# KiCad board VCF_VCA_BBD_board.kicad_pcb (continued)
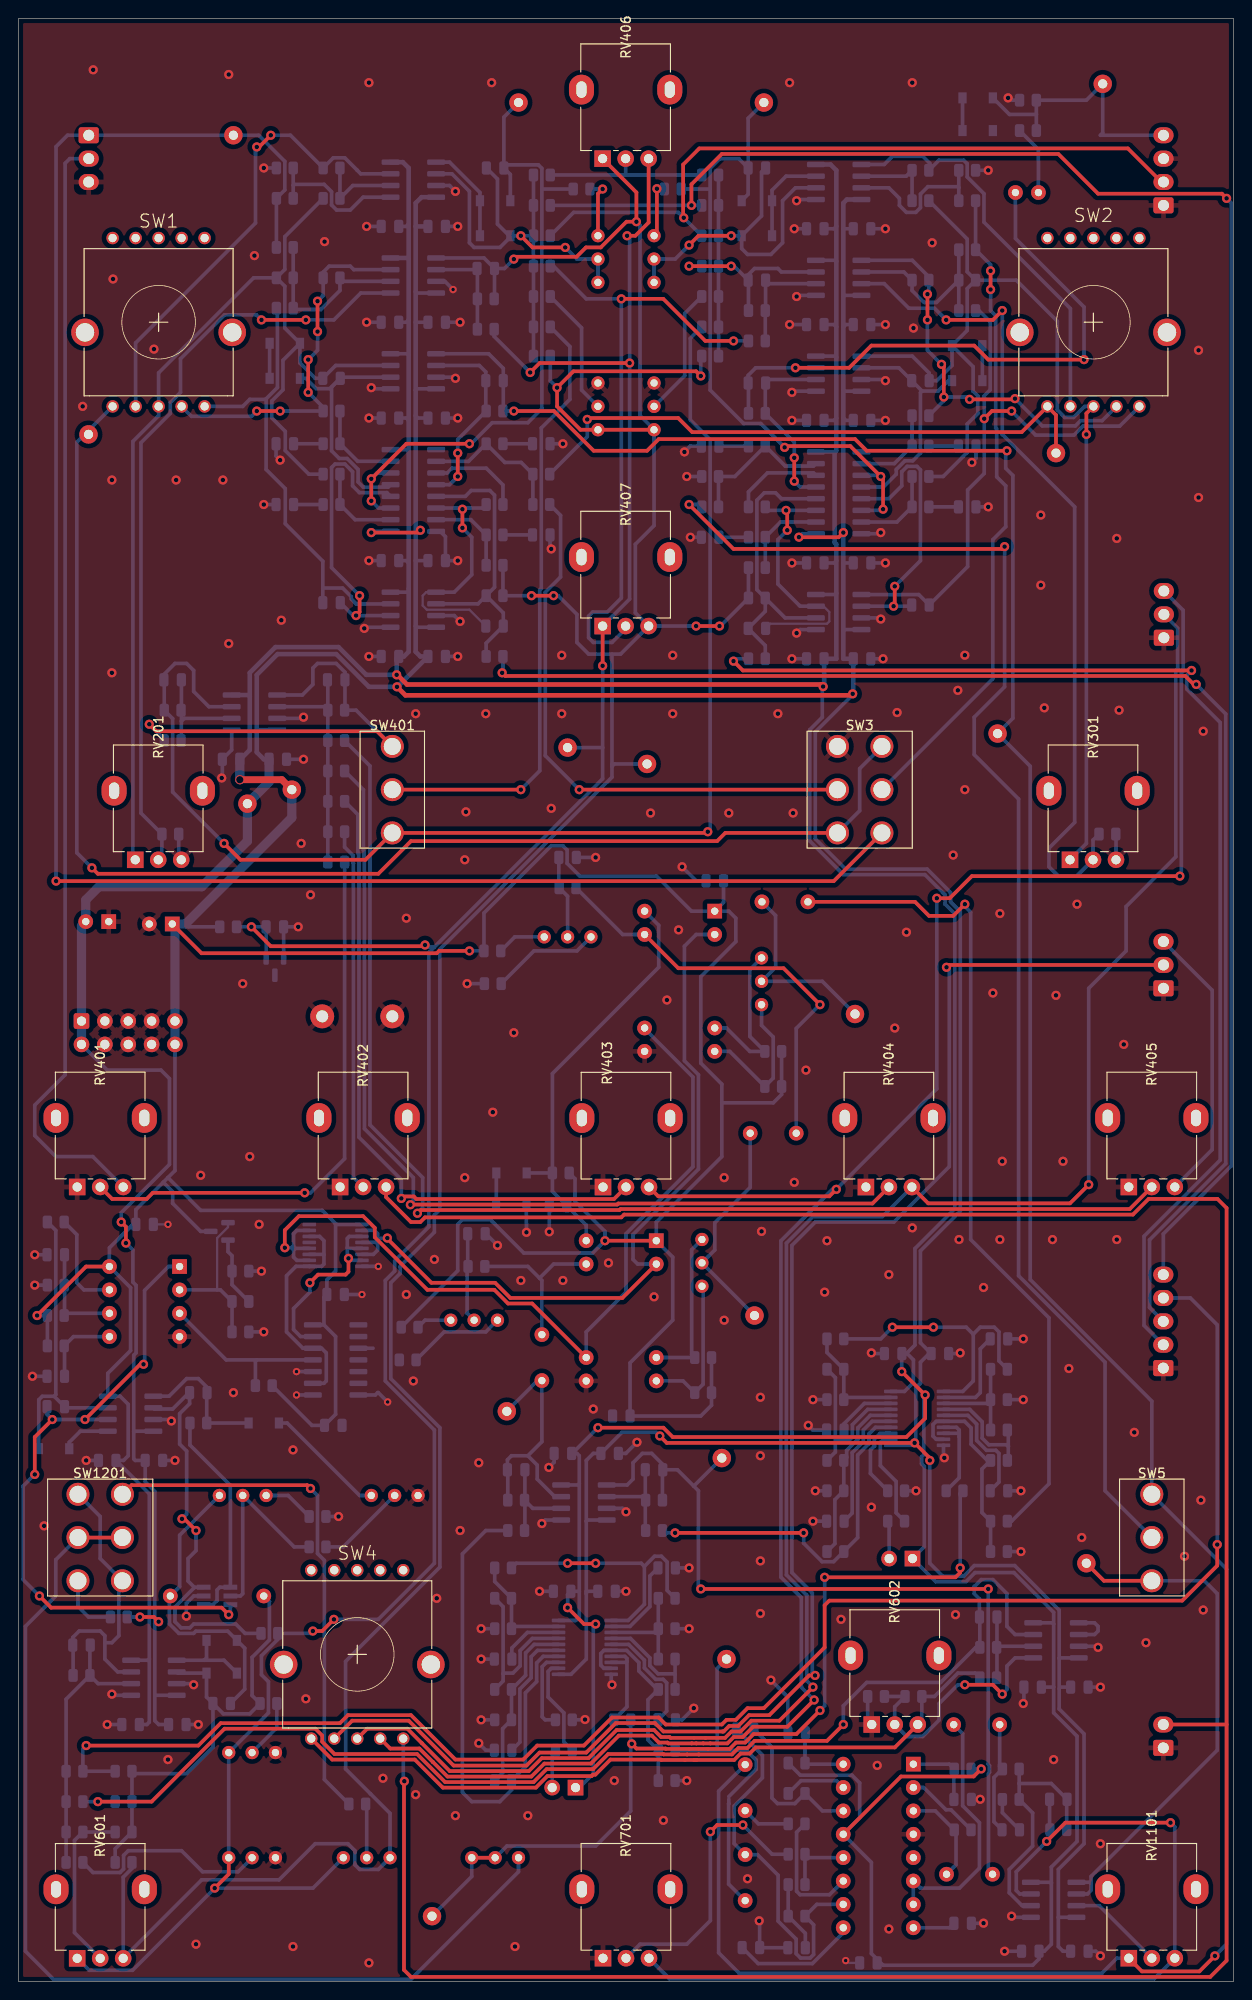
[diagram p0: board, top side]
## Placement (name value [footprint] x y rotation side) (continued)
R1303  270  [R_0805_2012Metric]  80.26 156.97 180 bottom
R1304  4k7  [R_0805_2012Metric]  80.26 160.27 180 bottom
R1305  100k  [R_0805_2012Metric]  80.26 153.67 0 bottom
R1306  30k  [R_0805_2012Metric]  75.18 160.27 0 bottom
R1307  30k  [R_0805_2012Metric]  75.18 163.58 0 bottom
R1308  270  [R_0805_2012Metric]  80.26 166.88 180 bottom
R1309  30k  [R_0805_2012Metric]  80.26 170.43 180 bottom
R1401  3k9  [R_0805_2012Metric]  22.79 114.63 0 bottom
R1402  100k  [R_0805_2012Metric]  50.8 179.58 0 bottom
R1403  100k  [R_0805_2012Metric]  50.8 182.88 0 bottom
REF**  -  [OSHW-Logo_5.7x6mm_SilkScreen]  20.83 150.88 180 bottom
RV201  100k  [Potentiometer_Alpha_RD901F-40-00D_Single_Vertical]  12.7 121.92 90 top
RV301  100k  [Potentiometer_Alpha_RD901F-40-00D_Single_Vertical]  114.3 121.92 90 top
RV401  100k  [Potentiometer_Alpha_RD901F-40-00D_Single_Vertical]  6.39 86.36 90 top
RV402  100k  [Potentiometer_Alpha_RD901F-40-00D_Single_Vertical]  34.97 86.36 90 top
RV403  100k  [Potentiometer_Alpha_RD901F-40-00D_Single_Vertical]  63.54 86.35 90 top
RV404  100k  [Potentiometer_Alpha_RD901F-40-00D_Single_Vertical]  92.11 86.35 90 top
RV405  100k  [Potentiometer_Alpha_RD901F-40-00D_Single_Vertical]  120.69 86.36 90 top
RV406  100k  [Potentiometer_Alpha_RD901F-40-00D_Single_Vertical]  63.5 198.12 90 top
RV407  100k c.d.  [Potentiometer_Alpha_RD901F-40-00D_Single_Vertical]  63.5 147.32 90 top
RV408  100k  [Potentiometer_Bourns_3296W_Vertical]  69.09 173.74 90 bottom
RV409  5k  [Potentiometer_Bourns_3296W_Vertical]  69.09 189.75 90 bottom
RV410  100k  [Potentiometer_Bourns_3296W_Vertical]  62.99 173.74 90 bottom
RV411  5k  [Potentiometer_Bourns_3296W_Vertical]  62.99 189.75 90 bottom
RV601  100k  [Potentiometer_Alpha_RD901F-40-00D_Single_Vertical]  6.39 2.53 90 top
RV602  100k c.d.  [Potentiometer_Alpha_RD901F-40-00D_Single_Vertical]  92.75 27.94 90 top
RV701  100k  [Potentiometer_Alpha_RD901F-40-00D_Single_Vertical]  63.54 2.54 90 top
RV901  10k  [Potentiometer_Bourns_3296W_Vertical]  52.07 71.88 0 bottom
RV902  10k  [Potentiometer_Bourns_3296W_Vertical]  74.3 80.66 90 bottom
RV903  10k  [Potentiometer_Bourns_3296W_Vertical]  62.23 113.54 0 bottom
RV904  10k  [Potentiometer_Bourns_3296W_Vertical]  80.77 111.25 90 bottom
RV1101  100k  [Potentiometer_Alpha_RD901F-40-00D_Single_Vertical]  120.69 2.54 90 top
RV1201  100k  [Potentiometer_Bourns_3296W_Vertical]  27.94 24.89 0 bottom
RV1202  100k  [Potentiometer_Bourns_3296W_Vertical]  27.94 13.46 0 bottom
RV1203  100  [Potentiometer_Bourns_3296W_Vertical]  26.92 52.83 0 bottom
RV1204  10k  [Potentiometer_Bourns_3296W_Vertical]  54.36 13.46 0 bottom
RV1205  10k  [Potentiometer_Bourns_3296W_Vertical]  43.43 52.83 0 bottom
RV1206  100k  [Potentiometer_Bourns_3296W_Vertical]  40.4 13.46 0 bottom
SW1  SR1712F-0204  [SR1712F_rotary_switch]  15.24 180.34 180 top
SW2  SR1712F-0204  [SR1712F_rotary_switch]  116.84 180.34 180 top
SW3  series_parallel_switch  [DPDT_mini_toggle]  91.44 129.54 180 top
SW4  SR1712F-0204  [SR1712F_rotary_switch]  36.83 35.56 180 top
SW5  delay_bypass_switch  [SPDT_mini_toggle]  123.19 48.26 0 top
SW401  SW_SPDT_MSM  [SPDT_mini_toggle]  40.64 129.54 180 top
SW1201  SW_DP_on_on_on  [DPDT_mini_toggle]  8.89 48.26 0 top
TP101  DRY  [TestPoint_Keystone_5000-5004_Miniature]  23.37 200.66 180 bottom
TP102  CV_A  [TestPoint_Keystone_5000-5004_Miniature]  54.36 204.22 180 bottom
TP103  ENV_VCA  [TestPoint_Keystone_5000-5004_Miniature]  106.43 135.64 180 bottom
TP104  VCF_A  [TestPoint_Keystone_5000-5004_Miniature]  7.62 168.15 180 bottom
TP105  DELAY  [TestPoint_Keystone_5000-5004_Miniature]  116.08 45.47 180 bottom
TP106  CV_B  [TestPoint_Keystone_5000-5004_Miniature]  81.03 204.22 180 bottom
TP107  FINAL_AUDIO  [TestPoint_Keystone_5000-5004_Miniature]  117.86 206.25 180 bottom
TP108  VCF_B  [TestPoint_Keystone_5000-5004_Miniature]  112.78 166.12 180 bottom
TP601  COMPRESSOR  [TestPoint_Keystone_5000-5004_Miniature]  76.96 35.05 180 bottom
TP602  BBD_LPF_1  [TestPoint_Keystone_5000-5004_Miniature]  53.09 61.98 180 bottom
TP603  BBD_LPF_2  [TestPoint_Keystone_5000-5004_Miniature]  76.45 56.9 180 bottom
TP901  BBD_1  [TestPoint_Keystone_5000-5004_Miniature]  80.01 72.39 180 bottom
TP902  BBD_2  [TestPoint_Keystone_5000-5004_Miniature]  90.93 105.16 180 bottom
TP1201  BBD_LPF_CV  [TestPoint_Keystone_5000-5004_Miniature]  44.96 7.11 180 bottom
TP1401  V+  [TestPoint_Keystone_5000-5004_Miniature]  29.72 129.54 180 bottom
TP1402  V-  [TestPoint_Keystone_5000-5004_Miniature]  24.89 128.02 180 bottom
TP1403  GND  [TestPoint_Bridge_Pitch7.62mm_Drill1.3mm]  40.64 104.9 180 bottom
TP1404  REF+  [TestPoint_Keystone_5000-5004_Miniature]  59.69 134.11 180 bottom
TP1405  REF-  [TestPoint_Keystone_5000-5004_Miniature]  68.33 132.33 180 bottom
U1  TL072  [SOIC-8_3.9x4.9mm_P1.27mm]  25.65 137.92 180 bottom
U2  TL072  [SOIC-8_3.9x4.9mm_P1.27mm]  42.93 185.42 180 bottom
U3  SSI2164  [SOIC-16_3.9x9.9mm_P1.27mm]  42.93 162.05 180 bottom
U4  TL072  [SOIC-8_3.9x4.9mm_P1.27mm]  42.93 175.01 180 bottom
U5  TL072  [SOIC-8_3.9x4.9mm_P1.27mm]  42.93 149.1 180 bottom
U6  TL072  [SOIC-8_3.9x4.9mm_P1.27mm]  42.93 195.83 180 bottom
U7  TL072  [SOIC-8_3.9x4.9mm_P1.27mm]  89.15 185.17 180 bottom
U8  TL072  [SOIC-8_3.9x4.9mm_P1.27mm]  89.15 174.75 180 bottom
U9  TL072  [SOIC-8_3.9x4.9mm_P1.27mm]  89.15 148.84 180 bottom
U10  SSI2164  [SOIC-16_3.9x9.9mm_P1.27mm]  89.15 161.8 180 bottom
U11  NE570  [DIP-16_W7.62mm_Socket]  97.27 23.63 180 bottom
U12  SSI2140  [TSSOP-20_4.4x6.5mm_P0.65mm]  61.57 36.32 180 bottom
U13  TL072  [SOIC-8_3.9x4.9mm_P1.27mm]  61.47 52.07 180 bottom
U14  MN3005  [DIP-8-14_W7.62mm_Socket]  69.33 80.52 180 bottom
U15  MN3005  [DIP-8-14_W7.62mm_Socket]  75.68 116.34 180 bottom
U16  SSI2140  [TSSOP-20_4.4x6.5mm_P0.65mm]  97.69 61.21 180 bottom
U17  TL072  [SOIC-8_3.9x4.9mm_P1.27mm]  112.52 8.89 180 bottom
U18  TL072  [SOIC-8_3.9x4.9mm_P1.27mm]  14.73 33.02 180 bottom
U19  TL072  [SOIC-8_3.9x4.9mm_P1.27mm]  12.19 61.72 180 bottom
U20  LM331  [DIP-8_W7.62mm_Socket]  17.52 77.71 180 bottom
U21  4013  [SOIC-14_3.9x8.7mm_P1.27mm]  34.48 67.56 180 bottom
U22  CD4049  [TSSOP-16_4.4x5mm_P0.65mm]  34.48 80.01 180 bottom
U23  TL072  [SOIC-8_3.9x4.9mm_P1.27mm]  89.15 195.58 180 bottom
U24  TL072  [SOIC-8_3.9x4.9mm_P1.27mm]  112.78 37.08 180 bottom
U1407  LM4040DBZ-5  [SOT-23]  27.87 110.31 270 bottom

## Footprints (pads in the part's own frame, mm; a bottom-side part is the same pattern mirrored in y, then rotated)
C_0805_2012Metric
  rrect 1x1.45 smd: 1(-0.95,0) 2(0.95,0)
C_Radial_D6.3mm_H7.0mm_P2.50mm
  round 1.6 hole 0.8: 1(0,0) 2(2.5,0)
C_Rect_L7.0mm_W3.5mm_P5.00mm
  round 1.6 hole 0.8: 1(0,0) 2(5,0)
CP_Radial_D6.3mm_P2.50mm
  rect 1.6x1.6 hole 0.8: 1(0,0)
  round 1.6 hole 0.8: 2(2.5,0)
D_SOD-123
  rect 0.9x1.2 smd: 1(-1.65,0) 2(1.65,0)
DIP-8-14_W7.62mm_Socket
  rect 1.6x1.6 hole 0.8: 1(0,0)
  oval 1.6x1.6 hole 0.8: 2(0,-2.54) 3(0,-12.7) 4(0,-15.24) 5(7.62,-15.24) 6(7.62,-12.7) 7(7.62,-2.54) 8(7.62,0)
DIP-8_W7.62mm_Socket
  rect 1.6x1.6 hole 0.8: 1(0,0)
  oval 1.6x1.6 hole 0.8: 2(0,-2.54) 3(0,-5.08) 4(0,-7.62) 5(7.62,-7.62) 6(7.62,-5.08) 7(7.62,-2.54) 8(7.62,0)
DIP-16_W7.62mm_Socket
  rect 1.6x1.6 hole 0.8: 1(0,0)
  oval 1.6x1.6 hole 0.8: 2(0,-2.54) 3(0,-5.08) 4(0,-7.62) 5(0,-10.16) 6(0,-12.7) 7(0,-15.24) 8(0,-17.78) 9(7.62,-17.78) 10(7.62,-15.24) 11(7.62,-12.7) 12(7.62,-10.16) 13(7.62,-7.62) 14(7.62,-5.08) 15(7.62,-2.54) 16(7.62,0)
DPDT_mini_toggle
  round 2.5 hole 1.85: 1(2.415,4.7) 2(2.415,0) 3(2.415,-4.7) 4(-2.415,4.7) 5(-2.415,0) 6(-2.415,-4.7)
IDC-Header_2x05_P2.54mm_Vertical
  rrect 1.7x1.7 hole 1: 1(0,0)
  round 1.7 hole 1: 2(2.54,0) 3(0,-2.54) 4(2.54,-2.54) 5(0,-5.08) 6(2.54,-5.08) 7(0,-7.62) 8(2.54,-7.62) 9(0,-10.16) 10(2.54,-10.16)
Molex_KK-254_AE-6410-02A_1x02_P2.54mm_Vertical
  rrect 1.74x2.19 hole 1.19: 1(0,0)
  oval 1.74x2.19 hole 1.19: 2(2.54,0)
Molex_KK-254_AE-6410-03A_1x03_P2.54mm_Vertical
  rrect 1.74x2.19 hole 1.19: 1(0,0)
  oval 1.74x2.19 hole 1.19: 2(2.54,0) 3(5.08,0)
Molex_KK-254_AE-6410-04A_1x04_P2.54mm_Vertical
  rrect 1.74x2.19 hole 1.19: 1(0,0)
  oval 1.74x2.19 hole 1.19: 2(2.54,0) 3(5.08,0) 4(7.62,0)
Molex_KK-254_AE-6410-05A_1x05_P2.54mm_Vertical
  rrect 1.74x2.19 hole 1.19: 1(0,0)
  oval 1.74x2.19 hole 1.19: 2(2.54,0) 3(5.08,0) 4(7.62,0) 5(10.16,0)
PinHeader_1x02_P2.54mm_Vertical
  rect 1.7x1.7 hole 1: 1(0,0)
  oval 1.7x1.7 hole 1: 2(0,-2.54)
Potentiometer_Alpha_RD901F-40-00D_Single_Vertical
  oval 3.24x2.72 hole 1.8x1.1: (7.5,2.3) (7.5,-7.3)
  rect 1.8x1.8 hole 1: 1(0,0)
  round 1.8 hole 1: 2(0,-2.5) 3(0,-5)
Potentiometer_Bourns_3296W_Vertical
  round 1.44 hole 0.8: 1(0,0) 2(-2.54,0) 3(-5.08,0)
R_0805_2012Metric
  rrect 1.025x1.4 smd: 1(-0.912,0) 2(0.912,0)
R_Axial_DIN0207_L6.3mm_D2.5mm_P10.16mm_Horizontal
  round 1.6 hole 0.8: 1(0,0)
  oval 1.6x1.6 hole 0.8: 2(10.16,0)
SOIC-8_3.9x4.9mm_P1.27mm
  rrect 1.95x0.6 smd: 1(-2.475,1.905) 2(-2.475,0.635) 3(-2.475,-0.635) 4(-2.475,-1.905) 5(2.475,-1.905) 6(2.475,-0.635) 7(2.475,0.635) 8(2.475,1.905)
SOIC-14_3.9x8.7mm_P1.27mm
  rrect 1.95x0.6 smd: 1(-2.475,3.81) 2(-2.475,2.54) 3(-2.475,1.27) 4(-2.475,0) 5(-2.475,-1.27) 6(-2.475,-2.54) 7(-2.475,-3.81) 8(2.475,-3.81) 9(2.475,-2.54) 10(2.475,-1.27) 11(2.475,0) 12(2.475,1.27) 13(2.475,2.54) 14(2.475,3.81)
SOIC-16_3.9x9.9mm_P1.27mm
  rrect 1.95x0.6 smd: 1(-2.475,4.445) 2(-2.475,3.175) 3(-2.475,1.905) 4(-2.475,0.635) 5(-2.475,-0.635) 6(-2.475,-1.905) 7(-2.475,-3.175) 8(-2.475,-4.445) 9(2.475,-4.445) 10(2.475,-3.175) 11(2.475,-1.905) 12(2.475,-0.635) 13(2.475,0.635) 14(2.475,1.905) 15(2.475,3.175) 16(2.475,4.445)
SOT457
  rect 0.55x1.5 smd: 1(-0.95,-1.45) 2(0,-1.45) 3(0.95,-1.45) 4(0.95,1.45) 5(0,1.45) 6(-0.95,1.45)
SOT-23
  rrect 1.475x0.6 smd: 1(-0.938,0.95) 2(-0.938,-0.95) 3(0.938,0)
SPDT_mini_toggle
  round 2.5 hole 1.85: 1(0,4.7) 2(0,0) 3(0,-4.7)
SR1712F_rotary_switch
  round 3 hole 2: (-8,1.1) (8,1.1)
  round 1.35 hole 0.9: 1(5,-9.15) 2(2.5,-9.15) 3(0,-9.15) 4(-2.5,-9.15) 5(-5,-9.15) 6(-5,9.15) 7(-2.5,9.15) 8(0,9.15) 9(2.5,9.15) 10(5,9.15)
TestPoint_Bridge_Pitch7.62mm_Drill1.3mm
  round 2.6 hole 1.3: 1(0,0) 1(7.62,0)
TestPoint_Keystone_5000-5004_Miniature
  round 2 hole 1: 1(0,0)
TSSOP-16_4.4x5mm_P0.65mm
  rrect 1.475x0.4 smd: 1(-2.862,2.275) 2(-2.862,1.625) 3(-2.862,0.975) 4(-2.862,0.325) 5(-2.862,-0.325) 6(-2.862,-0.975) 7(-2.862,-1.625) 8(-2.862,-2.275) 9(2.862,-2.275) 10(2.862,-1.625) 11(2.862,-0.975) 12(2.862,-0.325) 13(2.862,0.325) 14(2.862,0.975) 15(2.862,1.625) 16(2.862,2.275)
TSSOP-20_4.4x6.5mm_P0.65mm
  rrect 1.475x0.4 smd: 1(-2.862,2.925) 2(-2.862,2.275) 3(-2.862,1.625) 4(-2.862,0.975) 5(-2.862,0.325) 6(-2.862,-0.325) 7(-2.862,-0.975) 8(-2.862,-1.625) 9(-2.862,-2.275) 10(-2.862,-2.925) 11(2.862,-2.925) 12(2.862,-2.275) 13(2.862,-1.625) 14(2.862,-0.975) 15(2.862,-0.325) 16(2.862,0.325) 17(2.862,0.975) 18(2.862,1.625) 19(2.862,2.275) 20(2.862,2.925)

## Nets
+5V REF: C1403.1 R1216.1 R1401.2 R1402.2 RV406.3 RV407.1 RV601.1 RV1201.3 RV1202.3 RV1206.3 TP1404.1 U1407.1
+15V: C907.1 C908.1 C1207.1 C1401.1 C1405.1 C1407.1 C1409.1 C1411.1 C1413.1 C1415.1 C1417.1 C1419.1 C1421.1 C1423.1 C1425.1 C1427.1 C1429.1 C1431.1 C1433.1 C1435.1 C1437.1 C1439.1 C1440.1 C1441.1 C1443.1 J7.9 J7.10 JP801.1 JP1001.1 Q1201.3 R704.1 R901.1 R904.1 R905.1 R906.1 R909.1 R910.1 R911.1 R1102.1 R1220.2 R1223.1 R1224.2 R1401.1 TP1401.1 U1.8 U2.8 U3.16 U4.8 U5.8 U6.8 U7.8 U8.8 U9.8 U10.16 U11.13 U12.20 U13.8 U14.1 U15.1 U16.20 U17.8 U18.8 U19.8 U20.8 U21.14 U22.1 U23.8 U24.8
-5V REF: C1404.2 R418.2 R425.1 R501.1 R505.1 R1225.1 R1301.1 R1305.1 R1403.2 RV406.1 RV407.3 RV408.3 RV410.3 RV601.3 RV1206.1 TP1405.1 U2.1
-15V: C1402.2 C1406.2 C1408.2 C1410.2 C1412.2 C1414.2 C1416.2 C1418.1 C1420.2 C1422.2 C1424.2 C1426.2 C1428.2 C1430.2 C1432.2 C1434.2 C1436.2 C1438.2 C1442.2 J7.1 J7.2 R1218.1 TP1402.1 U1.4 U2.4 U3.9 U4.4 U5.4 U6.4 U7.4 U8.4 U9.4 U10.9 U12.11 U13.4 U16.11 U17.4 U18.4 U19.4 U23.4 U24.4
GND: C201.2 C203.2 C301.2 C303.2 C502.2 C503.2 C702.2 C703.2 C704.2 C801.2 C802.2 C803.2 C804.2 C902.2 C904.2 C905.2 C907.2 C908.2 C1001.2 C1002.2 C1003.2 C1004.2 C1102.2 C1103.2 C1204.2 C1206.2 C1207.2 C1302.2 C1303.2 C1401.2 C1402.1 C1403.2 C1405.2 C1406.1 C1407.2 C1408.1 C1409.2 C1410.1 C1411.2 C1412.1 C1413.2 C1414.1 C1415.2 C1416.1 C1417.2 C1418.2 C1419.2 C1420.1 C1421.2 C1422.1 C1423.2 C1424.1 C1425.2 C1426.1 C1427.2 C1428.1 C1429.2 C1430.1 C1431.2 C1432.1 C1433.2 C1434.1 C1435.2 C1436.1 C1437.2 C1438.1 C1439.2 C1440.2 C1441.2 C1442.1 C1443.2 D102.1 D902.1 D1202.2 J2.1 J2.3 J3.1 J4.1 J5.1 J6.1 J7.3 J7.4 J7.5 J7.6 J7.7 J7.8 J101.3 Q1202.5 R101.2 R205.2 R210.2 R305.2 R310.2 R602.1 R802.2 R805.2 R809.2 R812.2 R815.2 R902.2 R907.2 R1002.2 R1005.2 R1009.2 R1012.2 R1015.2 R1211.1 R1213.1 R1215.1 R1221.1 R1307.1 RV201.3 RV301.3 RV401.1 RV402.1 RV403.1 RV404.1 RV405.1 RV408.1 RV410.1 RV602.1 RV701.1 RV1201.1 RV1202.1 RV1205.1 SW3.3 TP1403.1 U1.3 U1.5 U2.3 U3.8 U4.3 U4.5 U5.3 U5.5 U6.3 U7.5 U8.3 U8.5 U9.3 U9.5 U10.8 U11.4 U12.10 U13.3 U13.5 U14.5 U15.5 U16.10 U17.5 U18.3 U18.5 U19.3 U19.5 U20.4 U21.3 U21.4 U21.5 U21.6 U21.7 U21.8 U21.10 U22.8 U23.5 U24.3 U1407.2
/analog_delay/BBD_ctl_generators/FREQ_CV: R1203.1 R1207.1 RV601.2
/analog_delay/BBD_ctl_generators/MOD_CV: C601.2 R604.2 R1202.1 R1206.1 U24.7
/analog_delay/BBD_LPF_post/SIGNAL_IN: C906.1 R1001.1
/analog_delay/BBD_LPF_post/SIGNAL_OUT: C1005.2 C1101.2 R1016.2 TP603.1 U13.1
/analog_delay/BBD_LPF_pre/SIGNAL_IN: C706.1 R801.1 TP601.1
/analog_delay/BBD_LPF_pre/SIGNAL_OUT: C805.2 C901.2 R816.2 TP602.1 U13.7
/analog_delay/BBD_stages/VGG: C905.1 D901.2 R911.2 U14.8 U15.8
/analog_delay/CLK_1: U14.2 U15.2 U22.2 U22.4 U22.6
/analog_delay/CLK_2: U14.6 U15.6 U22.10 U22.12 U22.15
/analog_delay/compressor_and_fdbk_mixer/FEEDBACK_IN: C1106.1 R1105.1 RV701.3 RV1101.3 U17.7
/analog_delay/LPF_CV: R807.1 R1007.1 RV1204.2 RV1204.3 TP1201.1
/analog_delay/MOD_IN: R601.2 R603.1 RV602.3 SW4.10
/analog_delay/SIGNAL_IN: C504.2 C701.2 R509.2 RV1101.1 SW5.1 TP103.1 U4.1
/analog_delay/SIGNAL_OUT: SW5.3 TP105.1 U17.1 U17.2
/DELAY_RIBBON: J6.4 R1201.1 R1205.1
/envelope_VCA/SIG_IN_1: R506.1 SW3.2
/EXT_VCF_CV: J2.2 R414.1 R421.1
/final_volume_VCA/SIG_IN_1: R1306.1 SW5.2
/final_volume_VCA/SIGNAL_OUT: C101.1 C1304.2 R1309.2 U8.7
/FREQ_CV_A: C405.2 D404.1 R426.2 TP102.1 U3.11 U3.14
/FREQ_CV_B: C404.2 D402.1 R412.2 TP106.1 U10.3 U10.6
/MOD_ENV: J5.2 SW4.9
/MOD_OSC: J3.2 RV402.3 SW4.6
/S_AND_H: J4.3 RV403.3 SW4.7
/S_AND_H_MIXER: J4.2 RV404.3 SW4.8
/SVF_A/BP_OUT: C202.2 D202.1 R202.1 R208.1 R211.1 RV201.1 SW1.8 U4.7
/SVF_A/HP_OUT: R204.2 R206.1 SW1.7 U2.7
/SVF_A/LP_OUT: C204.2 R203.2 SW1.6 U5.7
/SVF_A/NOTCH_OUT: R212.2 SW1.9 U6.7
/SVF_A/SIGNAL_IN: J101.1 R201.1 R209.1 SW3.4 TP101.1
/SVF_B/BP_OUT: C302.2 D302.1 R302.1 R308.1 R311.1 RV301.1 SW2.8 U8.1
/SVF_B/HP_OUT: R304.2 R306.1 SW2.7 U7.1
/SVF_B/LP_OUT: C304.2 R303.2 SW2.6 U9.1
/SVF_B/NOTCH_OUT: R312.2 SW2.9 U23.1
/SVF_B/SIGNAL_IN: R301.1 R309.1 SW3.5
/VCA_ENV_CTL: J6.3 R502.1
/VCA_VOL_CTL: J6.2 R1302.1
/VCF_A: SW1.10 SW3.1 SW3.6 TP104.1
/VCF_B: R507.1 SW2.10 TP108.1
/VCF_CV_mixer/MAIN_VCO: J101.2 RV401.3
/VCF_CV_mixer/VCF_ENV: J5.3 RV405.3
/VCF_RIBBON: J6.5 R413.1 R420.1
Net-(C101-Pad2): C101.2 R102.1
Net-(C201-Pad1): C201.1 R207.2
Net-(C202-Pad1): C202.1 D201.1 U3.13 U4.6
Net-(C203-Pad1): C203.1 R213.2
Net-(C204-Pad1): C204.1 U3.12 U5.6
Net-(C301-Pad1): C301.1 R307.2
Net-(C302-Pad1): C302.1 D301.1 U8.2 U10.4
Net-(C303-Pad1): C303.1 R313.2
Net-(C304-Pad1): C304.1 U9.2 U10.5
Net-(C401-Pad1): C401.1 R401.2 R402.2 R403.2 R404.2 R405.2 R406.1 U1.2
Net-(C401-Pad2): C401.2 R406.2 R407.1 SW401.3 U1.1
Net-(C402-Pad1): C402.1 R409.2 R410.1 U7.6
Net-(C402-Pad2): C402.2 R410.2 R416.1 U7.7
Net-(C403-Pad1): C403.1 R407.2 R408.1 U1.6
Net-(C403-Pad2): C403.2 R408.2 R411.1 SW401.1 U1.7
Net-(C404-Pad1): C404.1 D401.2 R411.2 R413.2 R414.2 R415.2 R416.2 R417.2 R418.1 RV409.2 RV409.3 U23.6
Net-(C405-Pad1): C405.1 D403.2 R419.2 R420.2 R421.2 R422.2 R423.2 R424.2 R425.2 RV411.2 RV411.3 U6.2
Net-(C501-Pad1): C501.1 R501.2 R502.2 U3.5 U5.2
Net-(C501-Pad2): C501.2 R504.1 U3.6 U5.1
Net-(C502-Pad1): C502.1 R503.2
Net-(C503-Pad1): C503.1 R508.2
Net-(C504-Pad1): C504.1 R509.1 U3.4 U4.2
Net-(C601-Pad1): C601.1 R603.2 R604.1 U24.6
Net-(C701-Pad1): C701.1 R702.2
Net-(C702-Pad1): C702.1 U11.9
Net-(C703-Pad1): C703.1 R704.2 U11.16
Net-(C704-Pad1): C704.1 R703.1 R705.2
Net-(C705-Pad1): C705.1 R706.1 U11.14
Net-(C705-Pad2): C705.2 C706.2 R705.1 U11.10
Net-(C801-Pad1): C801.1 U12.5
Net-(C802-Pad1): C802.1 U12.2
Net-(C803-Pad1): C803.1 U12.18
Net-(C804-Pad1): C804.1 U12.15
Net-(C805-Pad1): C805.1 R814.2 R816.1 U13.6
Net-(C901-Pad1): C901.1 R903.1 U14.7
Net-(C902-Pad1): C902.1 R903.2 RV901.2
Net-(C903-Pad1): C903.1 R908.1 U15.7
Net-(C903-Pad2): C903.2 RV902.2 TP901.1
Net-(C904-Pad1): C904.1 R908.2 RV903.2
Net-(C906-Pad2): C906.2 RV904.2 TP902.1
Net-(C1001-Pad1): C1001.1 U16.5
Net-(C1002-Pad1): C1002.1 U16.2
Net-(C1003-Pad1): C1003.1 U16.18
Net-(C1004-Pad1): C1004.1 U16.15
Net-(C1005-Pad1): C1005.1 R1014.2 R1016.1 U13.2
Net-(C1101-Pad1): C1101.1 R1101.2 U11.3
Net-(C1102-Pad1): C1102.1 R1102.2 U11.1
Net-(C1103-Pad1): C1103.1 U11.8
Net-(C1104-Pad1): C1104.1 C1105.2 R1103.2
Net-(C1104-Pad2): C1104.2 U11.6 U11.7
Net-(C1105-Pad1): C1105.1 R1104.2
Net-(C1106-Pad2): C1106.2 R1103.1 R1104.1 R1105.2 U17.6
Net-(C1201-Pad1): C1201.1 D1203.2 R1201.2 R1202.2 R1203.2 R1204.2 R1209.1 R1225.2 U18.2
Net-(C1201-Pad2): C1201.2 D1204.1 R1209.2 RV1203.3
Net-(C1202-Pad1): C1202.1 R1205.2 R1206.2 R1207.2 R1208.2 R1210.1 U18.6
Net-(C1202-Pad2): C1202.2 R1210.2 SW1201.3 SW1201.4 U18.7
Net-(C1203-Pad1): C1203.1 Q1202.6 R1216.2 U19.2
Net-(C1203-Pad2): C1203.2 D1201.1 R1219.1 U19.1
Net-(C1204-Pad1): C1204.1 R1220.1 R1221.2 U20.6
Net-(C1205-Pad1): C1205.1 Q1202.3 U19.6 U20.1
Net-(C1205-Pad2): C1205.2 D1202.1 R1222.1 U19.7
Net-(C1206-Pad1): C1206.1 R1223.2 U20.5
Net-(C1301-Pad1): C1301.1 R1301.2 R1302.2 U9.6 U10.12
Net-(C1301-Pad2): C1301.2 R1304.1 U9.7 U10.11
Net-(C1302-Pad1): C1302.1 R1303.2
Net-(C1303-Pad1): C1303.1 R1308.2
Net-(C1304-Pad1): C1304.1 R1309.1 U8.6 U10.13
Net-(C1404-Pad1): C1404.1 R1402.1 R1403.1 U2.2
Net-(D101-Pad1): D101.1 J2.4 R101.1 R102.2 TP107.1
Net-(D101-Pad2): D101.2 D102.2
Net-(D201-Pad2): D201.2 D202.2
Net-(D301-Pad2): D301.2 D302.2
Net-(D401-Pad1): D401.1 D402.2 U23.7
Net-(D403-Pad1): D403.1 D404.2 U6.1
Net-(D901-Pad1): D901.1 D902.2
Net-(D1201-Pad2): D1201.2 RV1205.3
Net-(D1203-Pad1): D1203.1 D1204.2 U18.1
Net-(JP801-Pad2): JP801.2 R817.2
Net-(JP1001-Pad2): JP1001.2 R1017.2
Net-(Q1201-Pad1): Q1201.1 R1214.2 R1215.2 U20.2
Net-(Q1201-Pad2): Q1201.2 R1213.2 R1214.1
Net-(Q1202-Pad1): Q1202.1 Q1202.4 R1219.2
Net-(Q1202-Pad2): Q1202.2 R1212.2 RV1203.2
Net-(R201-Pad2): R201.2 R202.2 R203.1 R204.1 U2.6
Net-(R205-Pad1): R205.1 RV201.2 U2.5
Net-(R206-Pad2): R206.2 R207.1 U3.15
Net-(R208-Pad2): R208.2 R212.1 U6.6
Net-(R209-Pad2): R209.2 R210.1 U6.5
Net-(R211-Pad2): R211.2 R213.1 U3.10
Net-(R301-Pad2): R301.2 R302.2 R303.1 R304.1 U7.2
Net-(R305-Pad1): R305.1 RV301.2 U7.3
Net-(R306-Pad2): R306.2 R307.1 U10.2
Net-(R308-Pad2): R308.2 R312.1 U23.2
Net-(R309-Pad2): R309.2 R310.1 U23.3
Net-(R311-Pad2): R311.2 R313.1 U10.7
Net-(R401-Pad1): R401.1 RV401.2
Net-(R402-Pad1): R402.1 RV402.2
Net-(R403-Pad1): R403.1 RV403.2
Net-(R404-Pad1): R404.1 RV404.2
Net-(R405-Pad1): R405.1 RV405.2
Net-(R409-Pad1): R409.1 R423.1 RV407.2
Net-(R412-Pad1): R412.1 RV409.1
Net-(R415-Pad1): R415.1 R422.1 RV406.2
Net-(R417-Pad1): R417.1 RV408.2
Net-(R419-Pad1): R419.1 SW401.2
Net-(R424-Pad1): R424.1 RV410.2
Net-(R426-Pad1): R426.1 RV411.1
Net-(R503-Pad1): R503.1 R505.2 U3.7
Net-(R504-Pad2): R504.2 U3.3
Net-(R506-Pad2): R506.2 R507.2 R508.1 U3.2
Net-(R601-Pad1): R601.1 R602.2 RV602.2 U24.5
Net-(R701-Pad1): R701.1 R703.2 U11.12
Net-(R701-Pad2): R701.2 RV701.2
Net-(R702-Pad1): R702.1 U11.11
Net-(R706-Pad2): R706.2 U11.15
Net-(R801-Pad2): R801.2 R802.1 R803.1 U12.6 U12.9
Net-(R803-Pad2): R803.2 R804.1 U12.4
Net-(R804-Pad2): R804.2 R805.1 R806.1 U12.3
Net-(R806-Pad2): R806.2 R808.1 U12.1
Net-(R807-Pad2): R807.2 U12.7 U12.8
Net-(R808-Pad2): R808.2 R809.1 R810.1 U12.19
Net-(R810-Pad2): R810.2 R811.1 U12.17
Net-(R811-Pad2): R811.2 R812.1 R813.1 U12.16
Net-(R813-Pad2): R813.2 R814.1 U12.14
Net-(R815-Pad1): R815.1 U12.13
Net-(R817-Pad1): R817.1 U12.12
Net-(R901-Pad2): R901.2 RV901.3
Net-(R902-Pad1): R902.1 RV901.1
Net-(R904-Pad2): R904.2 RV902.1 U14.3
Net-(R905-Pad2): R905.2 RV902.3 U14.4
Net-(R906-Pad2): R906.2 RV903.3
Net-(R907-Pad1): R907.1 RV903.1
Net-(R909-Pad2): R909.2 RV904.1 U15.3
Net-(R910-Pad2): R910.2 RV904.3 U15.4
Net-(R1001-Pad2): R1001.2 R1002.1 R1003.1 U16.6 U16.9
Net-(R1003-Pad2): R1003.2 R1004.1 U16.4
Net-(R1004-Pad2): R1004.2 R1005.1 R1006.1 U16.3
Net-(R1006-Pad2): R1006.2 R1008.1 U16.1
Net-(R1007-Pad2): R1007.2 U16.7 U16.8
Net-(R1008-Pad2): R1008.2 R1009.1 R1010.1 U16.19
Net-(R1010-Pad2): R1010.2 R1011.1 U16.17
Net-(R1011-Pad2): R1011.2 R1012.1 R1013.1 U16.16
Net-(R1013-Pad2): R1013.2 R1014.1 U16.14
Net-(R1015-Pad1): R1015.1 U16.13
Net-(R1017-Pad1): R1017.1 U16.12
Net-(R1101-Pad1): R1101.1 U11.2
Net-(R1204-Pad1): R1204.1 RV1201.2
Net-(R1208-Pad1): R1208.1 RV1202.2
Net-(R1211-Pad2): R1211.2 RV1203.1
Net-(R1212-Pad1): R1212.1 RV1205.2
Net-(R1217-Pad1): R1217.1 SW1201.1
Net-(R1217-Pad2): R1217.2 RV1206.2
Net-(R1218-Pad2): R1218.2 SW1201.6
Net-(R1222-Pad2): R1222.2 U20.7
Net-(R1224-Pad1): R1224.1 U20.3 U21.11
Net-(R1303-Pad1): R1303.1 R1305.2 U10.10
Net-(R1304-Pad2): R1304.2 U10.14
Net-(R1306-Pad2): R1306.2 R1307.2 R1308.1 U10.15
Net-(RV1101-Pad2): RV1101.2 U17.3
Net-(RV1204-Pad1): RV1204.1 SW1201.2 SW1201.5
Net-(U21-Pad12): U21.9 U21.12 U22.9 U22.11 U22.14
Net-(U21-Pad13): U21.13 U22.3 U22.5 U22.7
Net-(U24-Pad1): U24.1 U24.2

Pads without a net: SW1 1 2 3 4 5; SW2 1 2 3 4 5; SW4 1 2 3 4 5; U3 1; U10 1; U11 5; U21 1 2; U22 13 16; U1407 3

## Via types
v1: diameter 1, hole 0.5, Top to Bottom, 395 vias
v2: diameter 0.8, hole 0.4, Top to Bottom, 8 vias
v3: diameter 1, hole 0.8, Top to Bottom, 1 via

## Routing (per net, layer and track width the routed paths; a pad name or vN(x,y) marks a point on that pad's centre or on a via; arc(x,y) is an arc through that point)
+5V REF: length 302.7
  Top w0.4: v1(66.16,189.74) 67.06,189.74 68.5,191.18 RV406.3 ; v1(34.29,39.37) 33.02,38.1 v1(32,38.1) ; v1(55.63,174.88) 56.65,175.91 v1(66.43,175.91) ; RV407.1 v1(63.5,143) ; v1(21.34,10.16) 22.86,11.68 RV1202.3 ; v1(25.32,114.63) 27.43,112.52 44.06,112.52 v1(44.2,112.66)
  Bottom w0.4: v1(66.16,189.74) 66.43,189.46 66.43,150.25 RV407.1 ; 45.21,112.44 44.61,111.84 44.61,82.04 40.89,78.32 40.89,77.22 39.88,76.2 39.88,65.28 45.21,59.94 45.21,45.47 39.12,39.37 v1(34.29,39.37) ; 45.21,112.44 63.5,130.73 63.5,134.11 ; 45.21,112.44 44.42,112.44 v1(44.2,112.66) ; R1402.2 51.71,178.79 v1(55.63,174.88) ; 63.5,134.11 TP1404.1 ; 63.5,134.11 v1(63.5,143) ; RV601.1 7.69,1.23 12.41,1.23 v1(21.34,10.16) 32.01,10.16 RV1206.3 ; U1407.1 C1403.1 R1401.2 ; RV1202.3 22.86,25.4 ; RV1201.3 27.18,29.21 27.18,32.59 26.42,33.35 26.42,35.41 28.19,37.19 R1216.1 31.75,37.85 v1(32,38.1)
+15V: length 988.9
  Top w0.4: v1(63.75,80.52) 63.76,80.52 U14.1 ; v1(96.01,66.29) v1(98.55,63.75) 98.55,61.21 96.52,59.18 71.12,59.18 70.1,60.2 v1(62.99,60.2) ; v1(59.69,40.64) 61.47,38.86 v1(62.74,38.86) ; C1401.1 19.91,111.76 45.47,111.76 45.72,112.01 v1(49.02,112.01) ; U20.8 7.36,77.71 v1(2.03,72.39) ; v1(104.65,23.11) 103.83,22.29 95.93,22.29 U11.13
  Top w0.5: v1(87.46,140.75) 87.24,140.97 42.24,140.97 41.18,142.02 v1(41.11,142.02)
  Top w0.75: v3(24.06,130.62) 28.64,130.62 TP1401.1
  Bottom w0.4: 33.21,71.37 U21.14 ; 33.21,71.37 33.21,74.36 C1439.1 33.53,76.27 34.48,77.22 34.48,82.28 ; 33.21,71.37 34.48,70.1 34.48,61.66 C1440.1 31.9,60.45 R1224.2 ; C1409.1 42.16,169.93 42.42,169.67 ; 58.99,53.97 60.83,53.97 60.96,54.1 ; 88.9,190.75 88.65,190.5 C1429.1 ; 76.45,95.5 82.04,95.5 82.95,96.42 R910.1 R909.1 ; 76.45,95.5 76.45,89.66 69.33,82.54 U14.1 71.12,78.73 71.12,71.88 66.48,67.24 C907.1 74.17,61.47 75.33,62.63 R905.1 R904.1 ; 76.45,95.5 76.45,97.54 74.17,99.82 74.17,109.22 77.98,113.03 77.98,115.57 77.21,116.34 U15.1 ; 16.26,87.38 15.75,86.87 ; 16.26,87.38 19.81,83.82 33.02,83.82 34.48,82.36 34.48,82.28 ; 16.26,87.38 17.02,88.14 J7.10 ; 15.75,86.87 12.77,83.89 C1207.1 12.44,82.3 9.9,79.75 U20.8 12.19,75.42 12.19,68.58 9.72,66.1 U19.8 11.05,63.63 11.94,62.74 11.94,57.15 11.43,56.64 C1427.1 14.22,53.02 14.22,35.05 ; 15.75,86.87 16.76,85.85 16.76,84.58 19.81,81.53 Q1201.3 ; R1401.1 18.48,114.63 18.17,114.94 ; C908.1 76.64,117.3 U15.1 ; 88.9,176.53 88.77,176.66 86.68,176.66 ; U15.1 73.16,116.34 69.35,120.14 61.03,120.14 59.64,121.53 59.64,122.99 59.18,123.44 57.91,123.44 50.6,116.13 R906.1 v1(49.02,112.01) ; 112.52,32 112.52,38.86 ; 112.52,32 112.52,29.21 115.06,26.67 115.06,15.24 112.27,12.45 112.27,10.67 ; 112.52,32 C1441.1 ; 112.52,38.86 112.39,38.99 U24.8 ; 112.52,38.86 112.52,40.13 108.2,44.45 103.97,44.45 102.98,43.46 99.69,43.46 JP1001.1 98.46,47.26 98.46,55.97 98.16,56.27 98.16,57.01 98.41,57.27 98.41,63.62 v1(98.55,63.75) ; 42.42,166.37 42.29,166.5 U3.16 ; U5.8 42.29,151 42.42,150.88 42.42,151.38 ; v1(62.99,60.2) 60.2,57.4 C1421.1 60.71,57.4 60.96,57.15 60.96,54.1 ; U18.8 14.1,34.92 14.22,35.05 ; 60.96,42.42 60.96,54.1 ; 60.96,42.42 C1435.1 59.69,42.06 v1(59.69,40.64) ; 60.96,42.42 60.96,39.62 60.58,39.25 U12.20 ; JP801.1 60.96,21.08 62.48,22.61 62.48,38.61 v1(62.74,38.86) ; C1437.1 96.59,68.25 97.28,67.56 97.28,65.11 96.31,64.14 U16.20 ; C1437.1 96.52,68.25 97.44,69.18 97.44,79.66 101.77,83.99 101.77,116.04 100.72,117.1 100.72,118.11 98.53,120.3 89.67,120.3 86.01,123.96 86.01,136.05 87.38,137.41 87.38,140.66 v1(87.46,140.75) ; C1437.1 96.01,68.24 v1(96.01,66.29) ; 42.42,180.59 42.16,180.34 C1407.1 ; C1413.1 42.16,190.75 42.42,191.01 ; v1(104.65,23.11) 104.63,23.1 R1102.1 ; R1223.1 R1220.2 v1(2.03,72.39) ; 112.27,10.67 112.27,4.06 111.51,3.3 C1423.1 110.93,2.47 110.24,1.78 93.98,1.78 92.71,3.05 92.71,12.95 U11.13 91.44,17.8 91.44,21.59 90.6,22.43 84.99,22.43 R704.1 ; 112.27,10.67 112.27,10.79 U17.8 ; 88.9,150.88 88.77,150.75 U9.8 ; C1417.1 88.65,169.67 88.9,169.93 ; U4.8 42.29,176.91 42.42,176.78 ; 88.9,154.43 88.65,154.18 C1433.1 ; 14.22,35.05 14.22,28.19 13.97,27.94 C1425.1 ; C1431.1 42.16,154.43 42.42,154.18 ; 88.9,186.94 88.77,187.07 U7.8 ; C1415.1 88.65,180.09 88.9,179.83 ; 88.9,166.37 88.77,166.24 U10.16 ; 41.61,71.12 47.75,77.26 47.75,82.3 48.26,82.8 51.31,82.8 54.93,79.18 62.42,79.18 v1(63.75,80.52) 63.75,81.53 60.5,84.79 60.5,87.25 R911.1 ; 34.48,82.28 U22.1
  Bottom w0.5: 42.42,187.2 42.29,187.32 U2.8 ; 42.42,187.2 42.42,144.53 41.91,144.02 C1411.1 41.11,143.79 v1(41.11,142.02) 37.81,142.02 34.8,145.03 27.94,145.03 25.15,142.24 25.15,139.7 ; 42.42,187.2 42.42,197.1 41.78,197.74 U6.8 ; v1(87.46,140.75) 87.56,140.85 C1419.1 88.9,143.76 88.9,156.21 88.71,156.4 88.71,166.18 88.9,166.37 88.9,196.85 88.27,197.48 U23.8 ; 25.15,139.7 25.02,139.83 23.18,139.83 ; 25.15,139.7 25.15,133.86 24.13,132.84 C1405.1
  Bottom w1: J7.10 17.02,114.65 C1401.1 18.17,114.94 29.72,126.49 29.72,129.03 ; v3(24.06,130.62) C1405.1
-5V REF: length 359.5
  Top w0.4: v1(74.17,174.5) 73.66,175.01 60.33,175.01 v1(58.55,173.23) 58.55,171.2 61.09,168.66 RV410.3 RV408.3 ; v1(53.85,187.2) 54.1,187.45 60.67,187.45 61.69,188.47 63.3,188.47 66.09,191.26 v1(67.17,191.26) 67.17,194.45 RV406.1 ; v1(76.2,147.32) v1(73.66,147.32) ; v1(58.17,150.62) v1(55.77,150.62)
  Bottom w0.4: v1(74.17,174.5) 74.17,176.55 R418.2 ; 64.52,132.33 64.52,130.9 45.81,112.19 45.81,83.91 45.21,83.31 45.21,81.45 41.49,77.73 41.49,76.97 40.48,75.95 40.48,65.53 45.81,60.19 45.81,45.05 35.56,34.8 35.56,23.11 38.27,20.4 38.27,20.4 40.4,18.28 RV1206.1 39.13,12.19 37.08,12.19 36.58,12.7 36.58,14.22 35.81,14.99 32.26,14.99 28.33,11.06 19.92,11.06 RV601.3 11.39,11.35 12.34,12.3 R1225.1 ; 64.52,132.33 64.52,132.08 64.77,132.33 TP1405.1 ; 64.52,132.33 64.52,144.27 ; v1(53.85,187.2) 52.83,186.18 C1404.2 ; v1(67.17,191.26) 67.56,190.87 67.56,170.18 RV408.3 69.09,158.24 67.06,156.21 67.06,148.76 RV407.3 ; RV407.3 v1(73.66,147.32) ; RV407.3 65.45,144.27 61.98,144.27 60.71,145.54 60.71,148.59 58.67,150.62 v1(58.17,150.62) ; v1(76.2,147.32) 76.3,147.32 R1301.1 R1305.1 ; R1403.2 51.75,182.92 C1404.2 ; v1(55.77,150.62) R501.1 R505.1 ; C1404.2 50.61,187.32 U2.1 ; R425.1 57.81,173.97 v1(58.55,173.23)
-15V: length 617.5
  Top w0.4: v1(89.66,157.48) 89.15,156.97 84.85,156.97 v1(84.84,156.98) ; v1(99.06,56.64) 99.06,56.9 v1(97.41,58.55) 70.46,58.55 v1(69.71,59.3) ; v1(38.35,157.48) 43.43,157.48 v1(43.69,157.73) ; v1(11.68,80.26) 11.68,82.04 v1(11.18,82.55) ; v1(15.24,39.12) 14.73,39.62 v1(13.21,39.62)
  Top w0.5: v1(90.68,139.95) 90.52,139.8 42.07,139.8 v1(41.15,140.72)
  Bottom w0.4: U3.9 38.48,157.61 v1(38.35,157.48) ; 89.66,183.13 89.79,183.26 U7.4 ; 43.18,147.32 43.31,147.19 U5.4 ; C1418.1 89.92,169.67 89.66,169.93 ; J7.2 9.65,99.06 15.49,99.06 16.42,98.14 16.42,88.81 11.18,83.57 v1(11.18,82.55) ; 43.18,170.18 43.43,169.93 C1410.2 ; 89.66,172.97 89.79,172.85 U8.4 ; 113.03,6.98 113.03,3.81 113.54,3.3 C1424.2 ; 113.03,6.98 113.03,12.19 115.82,14.99 115.82,26.92 113.12,29.63 113.12,35.14 ; 113.03,6.98 U17.4 ; C1430.2 89.66,190.5 ; 89.66,146.81 89.79,146.94 U9.4 ; 43.18,183.64 43.31,183.51 45.4,183.51 ; 61.72,50.04 61.72,56.64 62.48,57.4 C1422.2 65.6,59.69 69.32,59.69 v1(69.71,59.3) ; 61.72,50.04 61.85,50.16 U13.4 ; 61.72,50.04 61.72,42.16 ; v1(11.68,80.26) 12.45,79.5 12.45,76.01 12.79,75.67 12.79,68.33 12.54,68.08 12.54,59.82 ; 43.18,157.48 43.43,157.73 v1(43.69,157.73) ; U18.4 14.86,31.11 14.82,31.15 ; 113.12,35.14 113.12,40.38 108.29,45.21 103.89,45.21 102.73,44.06 100.47,44.06 99.06,45.47 v1(99.06,56.64) ; 113.12,35.14 113.16,35.18 U24.4 ; R1218.1 v1(13.21,39.62) ; v1(84.84,156.98) 85.21,157.35 U10.9 ; C1426.2 15.24,27.94 14.82,28.36 14.82,31.15 ; 14.82,31.15 14.82,38.95 ; U12.11 60.07,33.4 61.72,35.05 61.72,42.16 ; 61.72,42.16 61.72,42.42 C1436.2 ; v1(90.68,139.95) 90.68,139.87 86.61,135.8 86.61,124.21 89.92,120.9 98.78,120.9 101.32,118.36 101.32,117.34 102.37,116.29 102.37,83.75 98.04,79.42 98.04,69.42 C1438.2 98.99,68.25 98.04,67.31 98.04,65.02 97.54,64.52 97.54,58.67 97.15,58.29 U16.11 ; 14.82,38.95 14.82,53.27 13.78,54.31 C1428.2 12.7,56.64 12.54,56.8 12.54,59.82 ; 14.82,38.95 14.99,39.12 v1(15.24,39.12) ; 12.54,59.82 U19.4 ; C1442.2 113.21,32 ; C1416.2 89.92,180.09 89.66,179.83 ; C1434.2 89.66,154.18 ; C1408.2 43.18,180.34 ; 43.18,172.97 43.31,173.1 45.4,173.1 ; C1432.2 43.18,154.43
  Bottom w0.5: C1406.2 26.67,132.84 25.91,133.6 25.91,135.89 ; 25.91,135.89 26.03,136.02 U1.4 ; 25.91,135.89 25.91,142.01 28.17,144.27 34.54,144.27 38.1,140.72 v1(41.15,140.72) 41.21,140.72 C1412.2 43.69,144.02 43.18,144.53 43.18,190.75 ; U6.4 43.81,193.93 43.18,193.29 43.18,190.75 ; 43.18,190.75 C1414.2 ; U23.4 90.04,193.67 89.66,193.29 89.66,143.76 C1420.2 90.74,140.02 v1(90.68,139.95)
  Bottom w1: C1406.2 27.24,130.37 TP1402.1 24.89,123.95 19.93,118.99 8.75,118.99 7.32,117.55 C1402.2 6.86,114.74 J7.2
